# Altium PCB INF_PRO.PcbDoc (part 1 of 2)
Units mil, origin at the board's own origin, x right, y up, seen from the top; angles counter-clockwise.
Board outline 5716.71 x 3551.48 mil, 2 copper layers (Top Layer, Bottom Layer); 197 components, 160 nets, 707 pads, 111 vias.
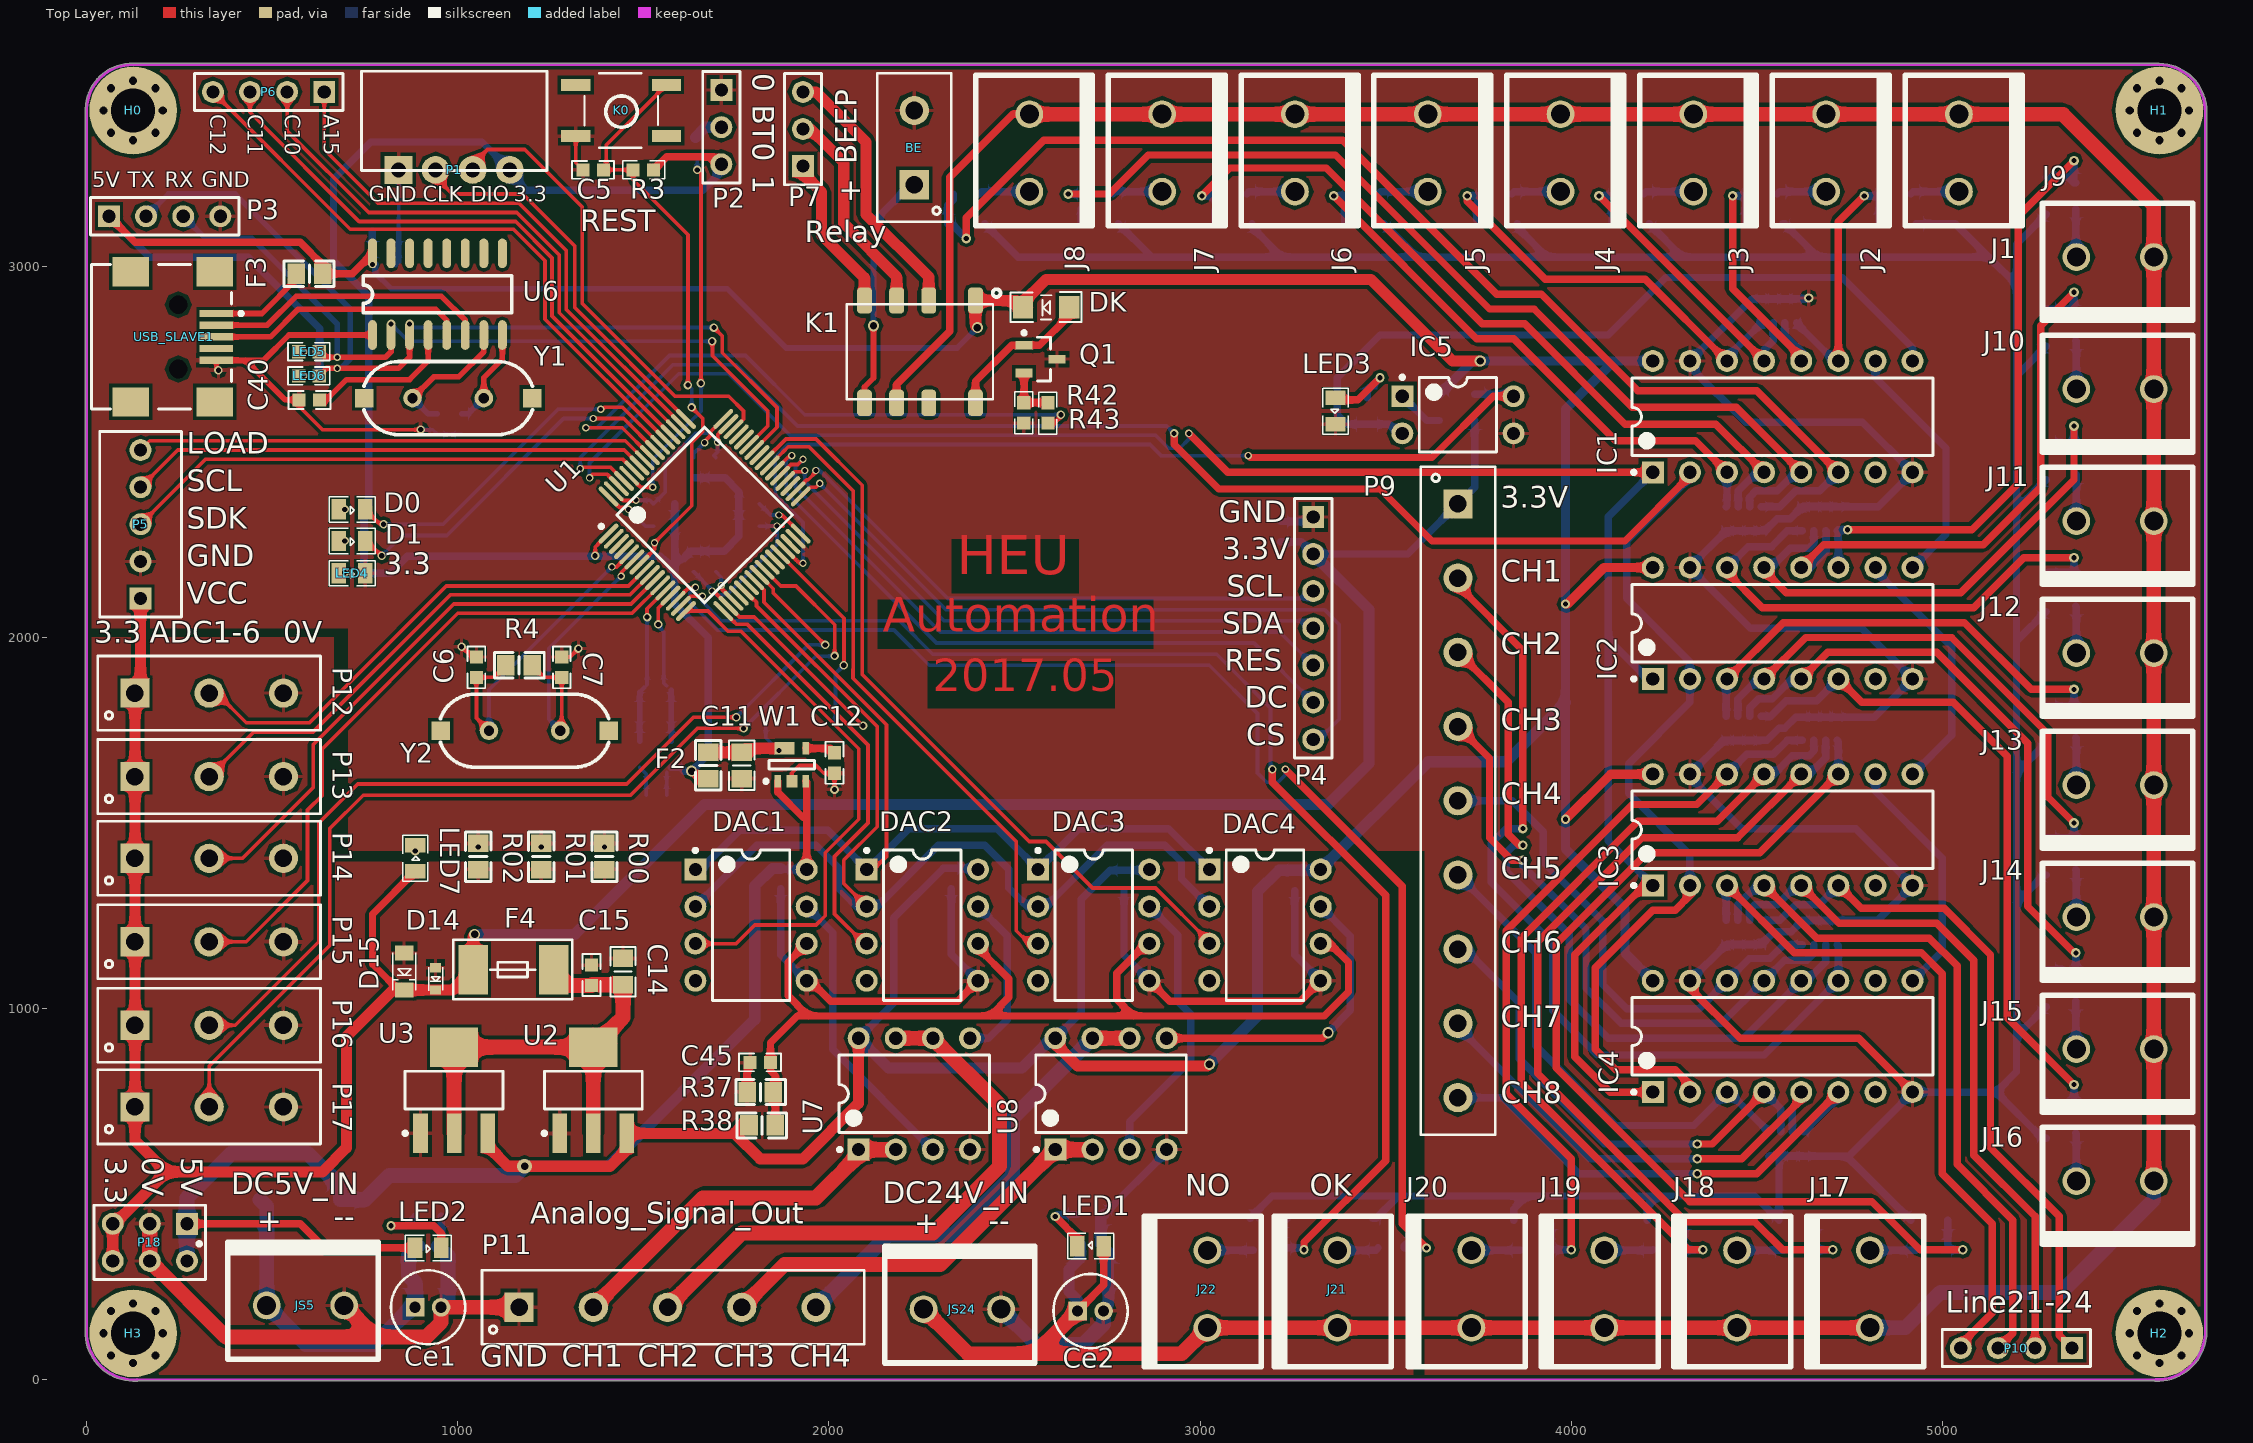
[diagram p0: Top Layer view]
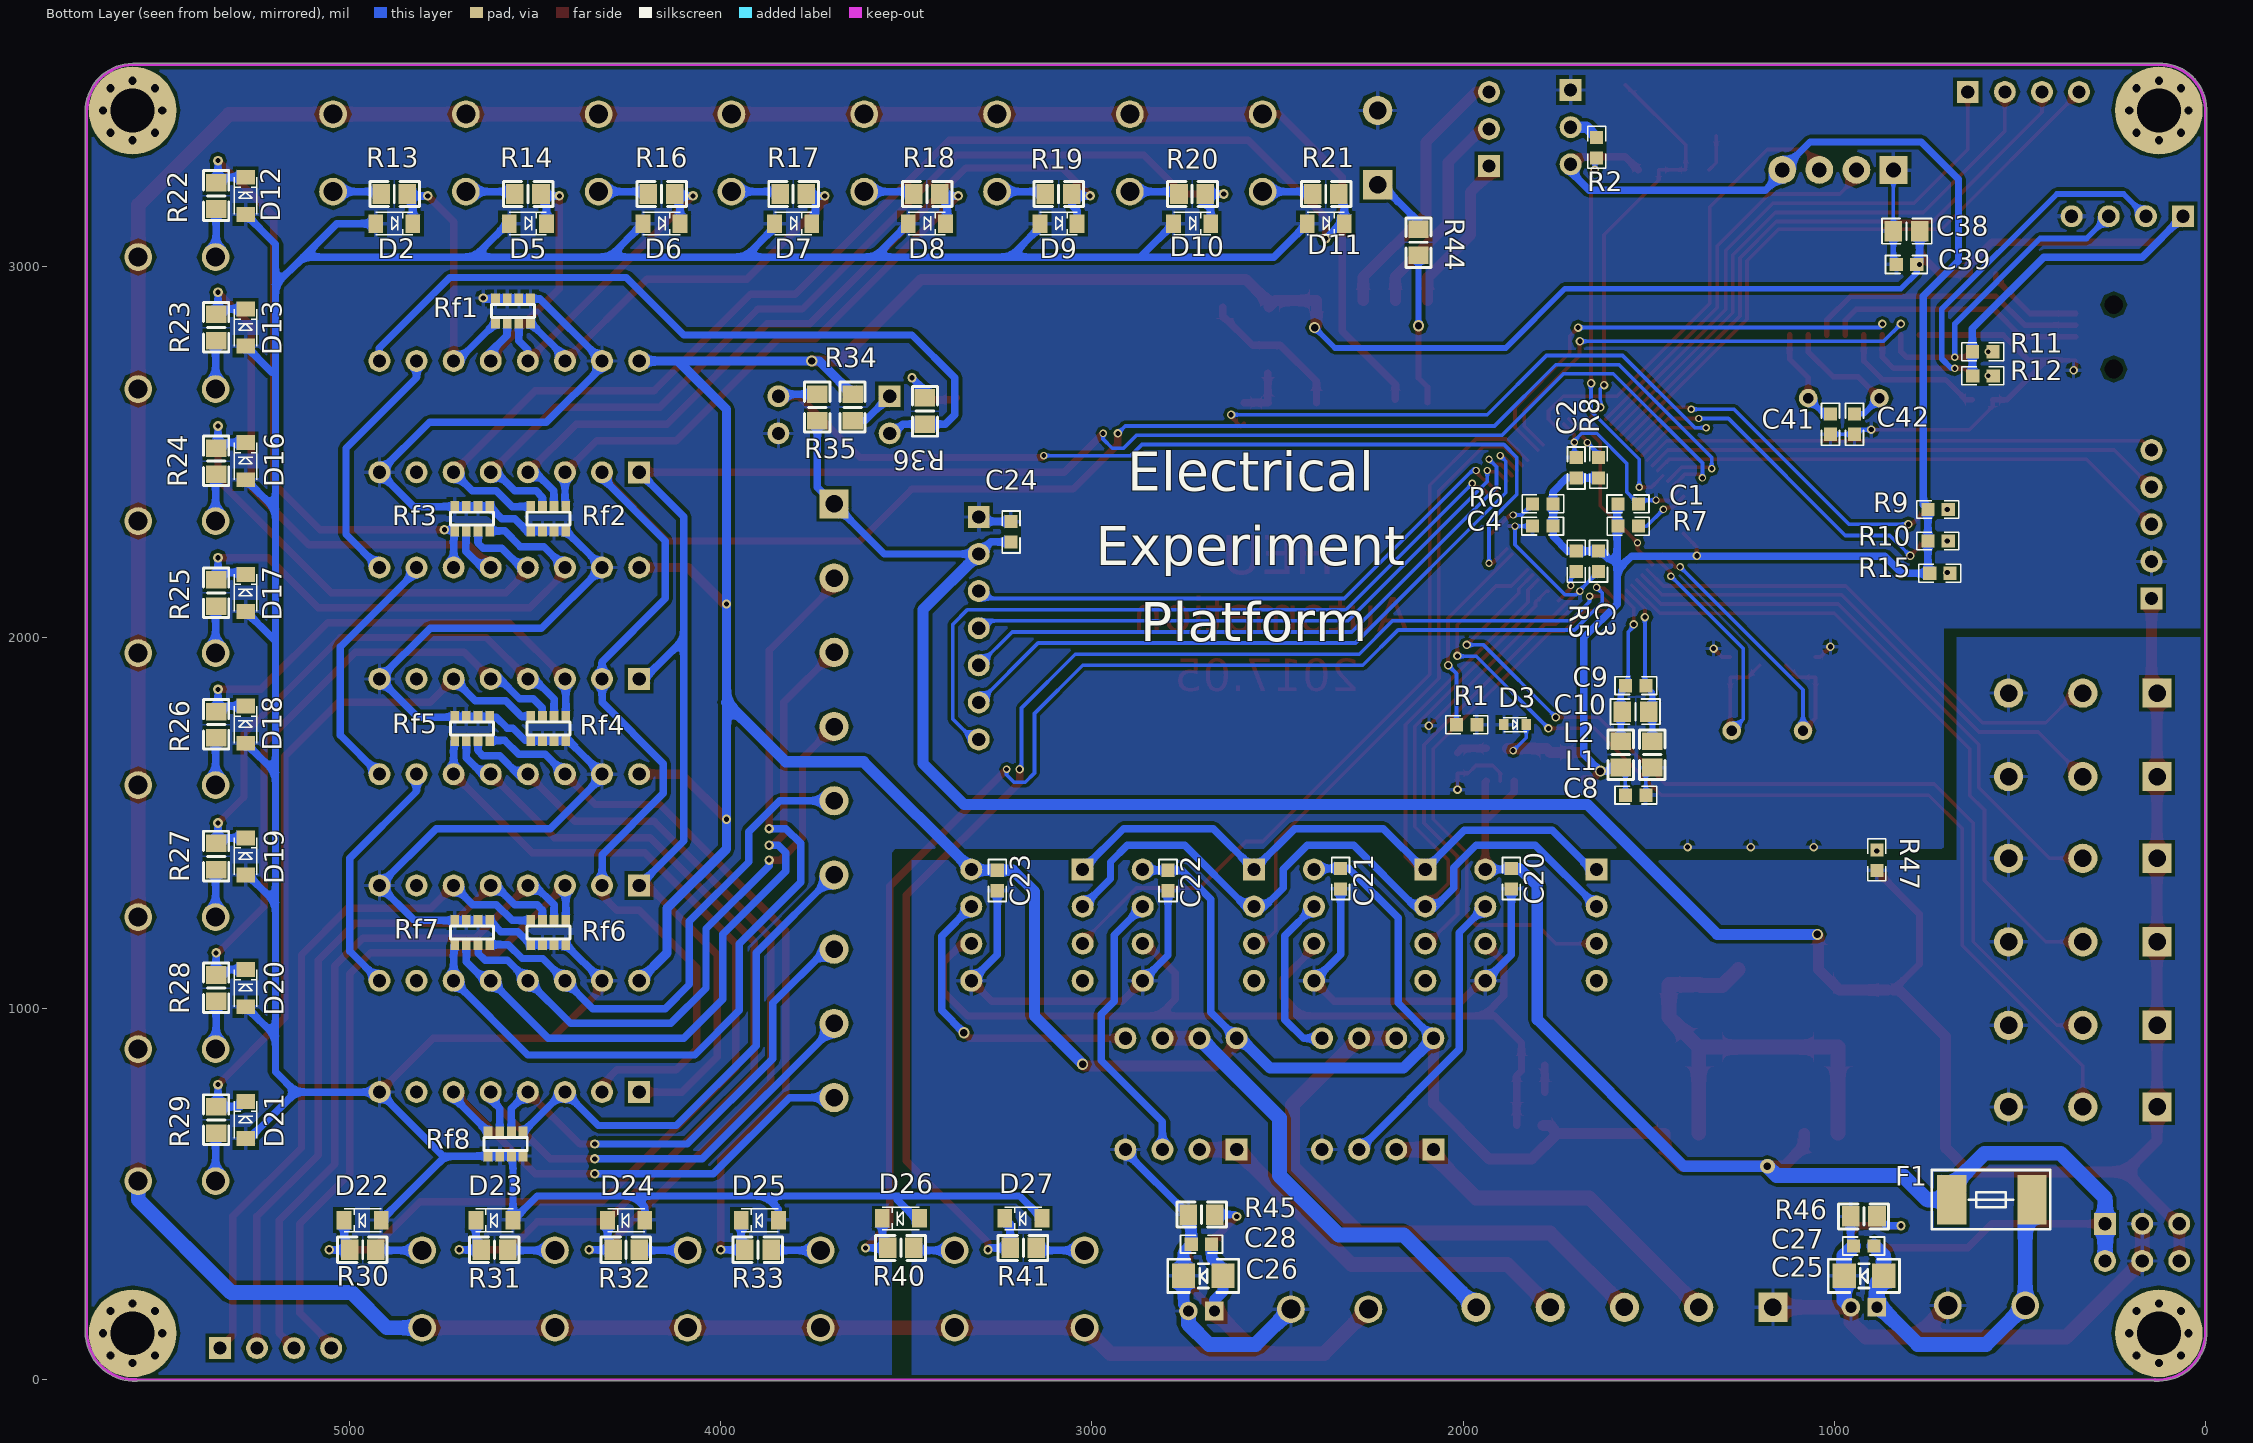
[diagram p1: Bottom Layer view, seen from below]
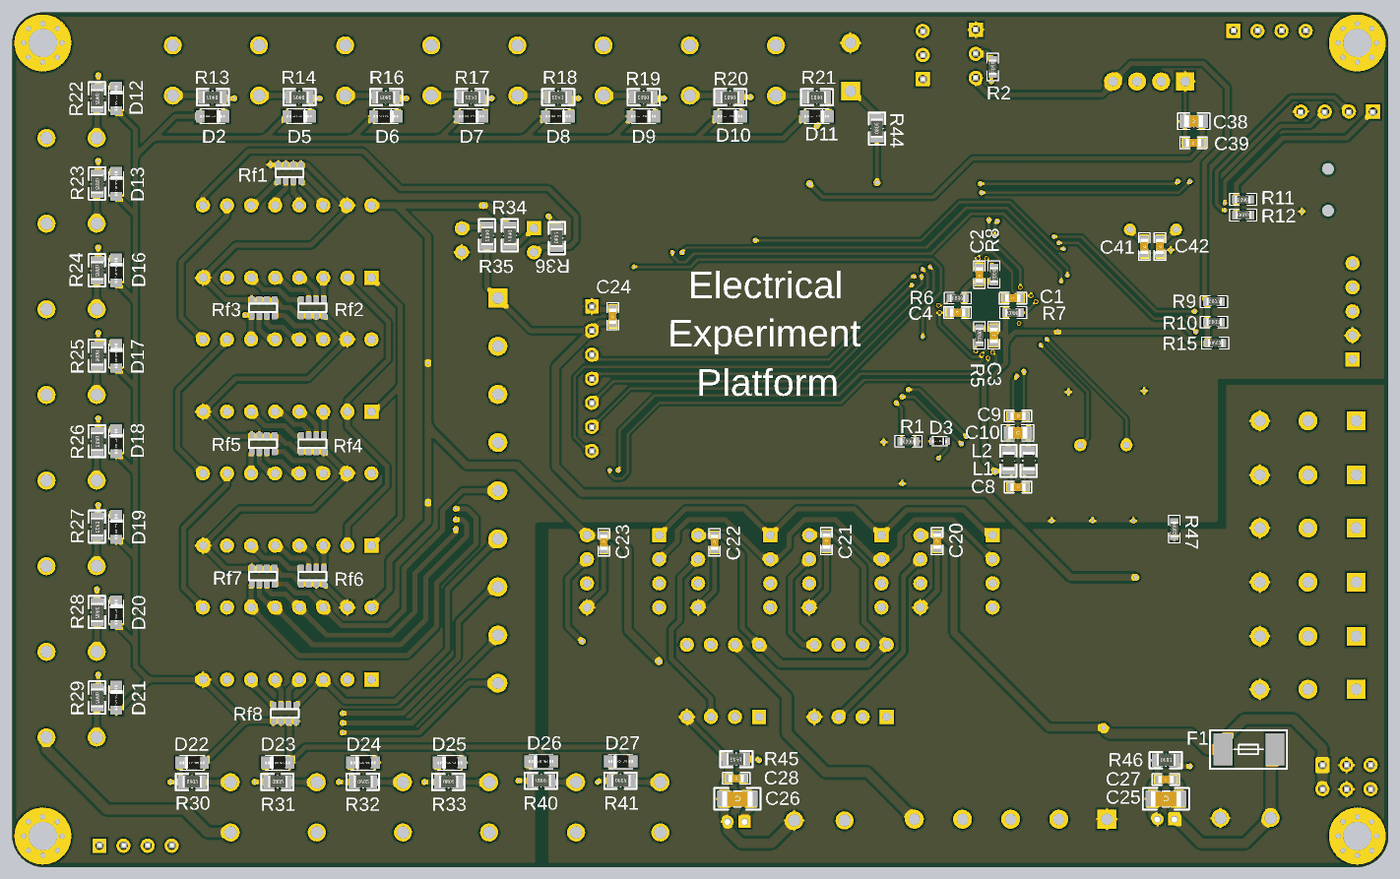
[diagram p3: 3D render of the assembled board from below, using the file's embedded part models]

## Layer stack, top to bottom
Top Solder: solder mask 0.4, Solder Resist, Dk 3.5
Top Layer: signal copper 1.4
Dielectric 1: dielectric 12.6, FR-4, Dk 4.8
Bottom Layer: signal copper 1.4
Bottom Solder: solder mask 0.4, Solder Resist, Dk 3.5

## Board outline
-4.01,119.76 ccw(c127.5,127.5) 135.24,-4.01 ccw(c135,0) 136.94,-3.51 5573.06,-3.51 ccw(c5575,0) 5574.87,-4.01 ccw(c5579.33,129.33) 5711.8,113.41 ccw(c5708.66,115) 5712.18,115 5712.18,116.98 ccw(c5579.33,129.33) 5712.67,124.87 ccw(c5708.66,125) 5712.68,125 ccw(c5708.66,125) 5712.18,126.94 5712.18,3413.06 ccw(c5708.66,3415) 5712.68,3414.93 ccw(c5582.68,3417.32) 5712.7,3417.32 ccw(c5582.68,3417.32) 5585.07,3547.32 ccw(c5585,3543.31) 5583.06,3546.82 126.94,3546.82 ccw(c125,3543.31) 125.11,3547.32 ccw(c121.65,3421.65) -4.01,3425.11 ccw(c0,3425) -3.51,3423.06 -3.51,121.94 ccw(c0,120)

## Design rules (kind name [scope] priority, off if disabled: settings)
Clearance Clearance_RES [HasFootprint('RES_FOUR_0603')] p1: gap=5
Clearance Clearance_MPU [HasFootprint('LQFP64_N')] p2: gap=7
Clearance [All] p3: gap=9
HoleSize [All] p1: absolutevalues=TRUE maxlimit=200 minlimit=1 maxpercent=80.000 minpercent=20.000
HoleToHoleClearance [All] p1: gap=8 allowstackedmicrovias=TRUE
MinimumSolderMaskSliver [All] p1: minsoldermaskwidth=1
NetAntennae [All] p1: netantennaetolerance=2
PolygonConnect [All] p1: connectstyle=Relief reliefconductorwidth=10 reliefentries=4 polygonreliefangle="90 Angle" airgapwidth=10
RoutingCorners [All] p1: cornerstyle=45-Degree minsetback=30 maxsetback=100
RoutingVias [All] p1: holewidth=14 width=21 viastyle="Through Hole" minholewidth=12 minwidth=19 maxholewidth=20 maxwidth=50
SilkToSilkClearance [All] p1: silktosilkclearance=1
SilkToSolderMaskClearance [IsPad] p1: minsilkscreentomaskgap=1 clearancetoexposedcopper=TRUE
SolderMaskExpansion [All] p1: expansion=4
Width [All] p1: maxlimit=80 minlimit=7 preferedwidth=10
23 further rules are at their usual default settings.

## Classes and differential pairs
component class INF_Processing: BE C1 C2 C3 C4 C5 C6 C7 C8 C9 C10 C11 C12 C14 C15 C24 C25 C26 C27 C28 C38 C39 C40 C41 C42 Ce1 Ce2 D0 D1 D3 D14 D15 D26 D27 DK F1 F2 F3 F4 H0 H1 H2 H3 J21 J22 JS5 JS24 K0 K1 L1 L2 LED1 LED2 LED4 LED5 LED6 LED7 P1 P2 P3 P4 P5 P6 P7 Q1 R00 R01 R1 R2 R02 R3 R4 R5 R6 R7 R8 R9 R10 R11 R12 R15 R40 R41 R42 R43 R44 R45 R46 R47 U1 U2 U3 U6 USB_SLAVE1 W1 Y1 Y2
component class INF_Pro_Interface: C20 C21 C22 C23 C45 D2 D5 D6 D7 D8 D9 D10 D11 D12 D13 D16 D17 D18 D19 D20 D21 D22 D23 D24 D25 DAC1 DAC2 DAC3 DAC4 IC1 IC2 IC3 IC4 IC5 J1 J2 J3 J4 J5 J6 J7 J8 J9 J10 J11 J12 J13 J14 J15 J16 J17 J18 J19 J20 LED3 P9 P10 P11 P12 P13 P14 P15 P16 P17 P18 R13 R14 R16 R17 R18 R19 R20 R21 R22 R23 R24 R25 R26 R27 R28 R29 R30 R31 R32 R33 R34 R35 R36 R37 R38 Rf1 Rf2 Rf3 Rf4 Rf5 Rf6 Rf7 Rf8 U7 U8

## Components (designator, comment, footprint, x,y, rotation, side; value= is the part's Value field where it differs from the comment)
BE "BEEP" Header2_hc5.08 2230,3320 r90 top
C1 "0603" CAP_0603_16*08 1555,2360 r180 bottom
C2 "0603" CAP_0603_16*08 1695,2457.44 r90 bottom
C3 "0603" CAP_0603_16*08 1635,2205 r270 bottom
C4 "0603" CAP_0603_16*08 1785,2300 r180 bottom
C5 "0603" CAP_0603_16*08 1365,3260 r0 top
C6 "0603" CAP_0603_16*08 1050,1920 r90 top
C7 "0603" CAP_0603_16*08 1280,1920 r90 top
C8 "0603" CAP_0603_16*08 1535,1575 r0 bottom
C9 "0603" CAP_0603_16*08 1535,1870 r0 bottom
C10 "Polar" CAP_0805_20*12 1535,1800 r180 bottom
C11 "Polar" CAP_0805_20*12 1765,1655 r270 top
C12 "0603" CAP_0603_16*08 2015,1661.81 r270 top
C14 "Polar" CAP_0805_20*12 1445,1100 r90 top
C15 "0603" CAP_0603_16*08 1360,1090 r270 top
C20 "0603" CAP_0603_16*08 1870,1350 r270 bottom
C21 "0603" CAP_0603_16*08 2330,1350 r270 bottom
C22 "0603" CAP_0603_16*08 2795,1345 r270 bottom
C23 "0603" CAP_0603_16*08 3255,1345 r270 bottom
C24 "0603" CAP_0603_16*08 3217.75,2285 r90 bottom
C25 "Polar" CAP_1206 920,280 r0 bottom
C26 "Polar" CAP_1206 2700,280 r0 bottom
C27 "0603" CAP_0603_16*08 920,360 r180 bottom
C28 "0603" CAP_0603_16*08 2705,365 r0 bottom
C38 "Polar" CAP_0805_20*12 805,3095 r0 bottom
C39 "0603" CAP_0603_16*08 805,3005 r180 bottom
C40 "0603" CAP_0603_16*08 600,2640 r180 top
C41 "0603" CAP_0603_16*08 1010,2575 r90 bottom
C42 "0603" CAP_0603_16*08 945,2575 r90 bottom
C45 "0603" CAP_0603_16*08 1815,855 r0 top
Ce1 "330uF/16V" Cap_Elec 920,195 r0 top
Ce2 "100uF/35V" Cap_Elec 2705,185 r0 top
D0 "Red" LED_0805 715,2345 r0 top
D1 "Blue" LED_0805 715,2260 r0 top
D2 "Zener/3.3" SOD323 4880,3115 r180 bottom
D3 "TVS/3.3V" SOD523 1910,1765 r180 bottom
D5 "Zener/3.3" SOD323 4520,3115 r180 bottom
D6 "Zener/3.3" SOD323 4160,3115 r180 bottom
D7 "Zener/3.3" SOD323 3805,3115 r180 bottom
D8 "Zener/3.3" SOD323 3445,3115 r180 bottom
D9 "Zener/3.3" SOD323 3090,3115 r180 bottom
D10 "Zener/3.3" SOD323 2730,3115 r180 bottom
D11 "Zener/3.3" SOD323 2370,3115 r180 bottom
D12 "Zener/3.3" SOD323 5280,3190 r90 bottom
D13 "Zener/3.3" SOD323 5280,2835 r90 bottom
D14 "TVS/3.3V" SOD523 940,1130 r270 top
D15 "Zener/3.3V" SOD323 855,1100 r270 top
D16 "Zener/3.3" SOD323 5280,2475 r90 bottom
D17 "Zener/3.3" SOD323 5280,2120 r90 bottom
D18 "Zener/3.3" SOD323 5280,1765 r90 bottom
D19 "Zener/3.3" SOD323 5280,1410 r90 bottom
D20 "Zener/3.3" SOD323 5280,1055 r90 bottom
D21 "Zener/3.3" SOD323 5280,700 r90 bottom
D22 "Zener/3.3" SOD323 4965,430 r0 bottom
D23 "Zener/3.3" SOD323 4610,430 r0 bottom
D24 "Zener/3.3" SOD323 4255,430 r0 bottom
D25 "Zener/3.3" SOD323 3895,430 r0 bottom
D26 "Zener/3.3" SOD323 3515,435 r0 bottom
D27 "Zener/3.3" SOD323 3185,435 r0 bottom
DAC1 "TLC5615" DIP-8 1790,1225 r0 top
DAC2 "TLC5615" DIP-8 2251.67,1225 r0 top
DAC3 "TLC5615" DIP-8 2713.33,1225 r0 top
DAC4 "TLC5615" DIP-8 3175,1225 r0 top
DK "Diode" Diode1206 2585,2890 r180 top
F1 "Fuse 1" FUSE3.5*5.5 575,485 r0 bottom
F2 "Fuse 1" RES_0805_20*12 1675,1655 r270 top
F3 "5V/0.5A" RES_0805_20*12 600,2980 r0 top
F4 "Fuse 1" FUSE3.5*5.5 1150,1105 r180 top
H0 "Pad3mm" PAD 125,3420 r0 top
H1 "Pad3mm" PAD 5585,3420 r0 top
H2 "Pad3mm" PAD 5585,125 r0 top
H3 "Pad3mm" PAD 125,125 r0 top
IC1 "74HC165" DIP-16 4570,2595 r90 top
IC2 "74HC165" DIP-16 4570,2038.33 r90 top
IC3 "74HC165" DIP-16 4570,1481.67 r90 top
IC4 "74HC165" DIP-16 4570,925 r90 top
IC5 "PS2801-1" DIP-4 3695,2600 r0 top
J1 "POWER" Header2_press 5045,3410 r90 top
J2 "POWER" Header2_press 4687.14,3410 r90 top
J3 "POWER" Header2_press 4329.29,3410 r90 top
J4 "POWER" Header2_press 3971.43,3410 r90 top
J5 "POWER" Header2_press 3613.57,3410 r90 top
J6 "POWER" Header2_press 3255.71,3410 r90 top
J7 "POWER" Header2_press 2897.86,3410 r90 top
J8 "POWER" Header2_press 2540,3410 r90 top
J9 "POWER" Header2_press 5570,3025 r0 top
J10 "POWER" Header2_press 5570,2669.29 r0 top
J11 "POWER" Header2_press 5570,2313.57 r0 top
J12 "POWER" Header2_press 5570,1957.86 r0 top
J13 "POWER" Header2_press 5570,1602.14 r0 top
J14 "POWER" Header2_press 5570,1246.43 r0 top
J15 "POWER" Header2_press 5570,890.71 r0 top
J16 "POWER" Header2_press 5570,535 r0 top
J17 "POWER" Header2_press 4804.96,140 r270 top
J18 "POWER" Header2_press 4447.1,140 r270 top
J19 "POWER" Header2_press 4089.25,140 r270 top
J20 "POWER" Header2_press 3731.39,140 r270 top
J21 "POWER" Header2_press 3370,140 r270 top
J22 "POWER" Header2_press 3020,140 r270 top
JS5 "POWER" Header2_press 485,200 r180 top
JS24 "POWER" Header2_press 2255,190 r180 top
K0 "KEY" KEY_4 1440,3420 r0 top
K1 "G6K-2F-Y" OMRON_delay 2245,2770 r180 top
L1 "MODEL?" IND_0805_20*12 1575,1685 r90 bottom
L2 "MODEL?" IND_0805_20*12 1490,1685 r90 bottom
LED1 "Green" LED_0805 2705,360 r180 top
LED2 "Red" LED_0805 920,355 r0 top
LED3 "Yellow" LED_0805 3365,2610 r270 top
LED4 "Blue" LED_0805 715,2173 r0 top
LED5 "Red" CAP_0603_16*08 599,2770 r0 top
LED6 "Green" CAP_0603_16*08 599,2705 r0 top
LED7 "Blue" LED_0805 885,1405 r90 top
P1 "Header 4" P4_OUT 990,3260 r0 top
P2 "Header 3" HEADER1*3_PIN 1710,3375 r270 top
P3 "Header 4" HEADER1*4_PIN 210,3135 r0 top
P4 "OLED" HEADER1*7_PIN 3305,2025 r270 top
P5 "Header 5" Header5_KF2510 145,2305 r90 top
P6 "Header 4" HEADER1*4_PIN 490,3470 r180 top
P7 "Header 3" HEADER1*3_PIN 1930,3370 r90 top
P9 "Header 9" Header9_HC5.08 3695,2360 r270 top
P10 "Header 4" HEADER1*4_PIN 5200,85 r180 top
P11 "Header 5" HEADER4_HC5.08 1165,195 r0 top
P12 "Header 3" Header3_HC5.08 130,1850 r0 top
P13 "Header 3" Header3_HC5.08 130,1625 r0 top
P14 "Header 3" Header3_HC5.08 130,1405 r0 top
P15 "Header 3" Header3_HC5.08 130,1180 r0 top
P16 "Header 3" Header3_HC5.08 130,955 r0 top
P17 "Header 3" Header3_HC5.08 130,735 r0 top
P18 "Header 3X2" HEADER2*3_PIN 170,370 r180 top
Q1 "NPN" SOT-23_N 2570,2750 r0 top
R00 "SMD" RES_0805_20*12 1395,1410 r90 top
R1 "SMD" RES_0603_16*08 1990,1765 r0 bottom
R01 "SMD" RES_0805_20*12 1225,1410 r90 top
R2 "SMD" RES_0603_16*08 1640,3320 r270 bottom
R02 "SMD" RES_0805_20*12 1055,1410 r90 top
R3 "SMD" RES_0603_16*08 1500,3260 r180 top
R4 "SMD" RES_0805_20*12 1165,1925 r180 top
R5 "SMD" RES_0603_16*08 1695,2205 r270 bottom
R6 "SMD" RES_0603_16*08 1785,2360 r0 bottom
R7 "SMD" RES_0603_16*08 1555,2300 r0 bottom
R8 "SMD" RES_0603_16*08 1635,2457.44 r270 bottom
R9 "SMD" RES_0603_16*08 720,2345 r180 bottom
R10 "SMD" RES_0603_16*08 720,2260 r180 bottom
R11 "SMD" RES_0603_16*08 600,2770 r0 bottom
R12 "SMD" RES_0603_16*08 599,2705 r180 bottom
R13 "SMD" RES_0805_20*12 4880,3195 r0 bottom
R14 "SMD" RES_0805_20*12 4520,3195 r0 bottom
R15 "SMD" RES_0603_16*08 715,2173 r180 bottom
R16 "SMD" RES_0805_20*12 4160,3195 r0 bottom
R17 "SMD" RES_0805_20*12 3805,3195 r0 bottom
R18 "SMD" RES_0805_20*12 3445,3195 r0 bottom
R19 "SMD" RES_0805_20*12 3090,3195 r0 bottom
R20 "SMD" RES_0805_20*12 2730,3195 r0 bottom
R21 "SMD" RES_0805_20*12 2370,3195 r0 bottom
R22 "SMD" RES_0805_20*12 5360,3190 r270 bottom
R23 "SMD" RES_0805_20*12 5360,2835 r270 bottom
R24 "SMD" RES_0805_20*12 5360,2475 r270 bottom
R25 "SMD" RES_0805_20*12 5360,2120 r270 bottom
R26 "SMD" RES_0805_20*12 5360,1765 r270 bottom
R27 "SMD" RES_0805_20*12 5360,1410 r270 bottom
R28 "SMD" RES_0805_20*12 5360,1055 r270 bottom
R29 "SMD" RES_0805_20*12 5360,700 r270 bottom
R30 "SMD" RES_0805_20*12 4965,350 r180 bottom
R31 "SMD" RES_0805_20*12 4610,350 r180 bottom
R32 "SMD" RES_0805_20*12 4255,350 r180 bottom
R33 "SMD" RES_0805_20*12 3900,350 r180 bottom
R34 "SMD" RES_0805_20*12 3645,2620 r270 bottom
R35 "SMD" RES_0805_20*12 3740,2620 r270 bottom
R36 "SMD" RES_0805_20*12 3450,2610 r90 bottom
R37 "SMD" RES_0805_20*12 1815,775 r180 top
R38 "SMD" RES_0805_20*12 1820,685 r0 top
R40 "SMD" RES_0805_20*12 3515,355 r180 bottom
R41 "SMD" RES_0805_20*12 3185,355 r180 bottom
R42 "SMD" RES_0603_16*08 2590,2605 r90 top
R43 "SMD" RES_0603_16*08 2525,2605 r270 top
R44 "SMD" RES_0805_20*12 2120,3065 r90 bottom
R45 "SMD" RES_0805_20*12 2705,445 r0 bottom
R46 "SMD" RES_0805_20*12 920,440 r180 bottom
R47 "SMD" RES_0603_16*08 885,1400 r270 bottom
Rf1 "3.3K" RES_FOUR_0603 4560,2880 r90 bottom
Rf2 "3.3K" RES_FOUR_0603 4465,2320 r270 bottom
Rf3 "3.3K" RES_FOUR_0603 4670,2320 r90 bottom
Rf4 "3.3K" RES_FOUR_0603 4465,1755 r270 bottom
Rf5 "3.3K" RES_FOUR_0603 4670,1755 r90 bottom
Rf6 "3.3K" RES_FOUR_0603 4465,1205 r270 bottom
Rf7 "3.3K" RES_FOUR_0603 4670,1205 r90 bottom
Rf8 "3.3K" RES_FOUR_0603 4580,635 r270 bottom
U1 "STM32F103RCT6" LQFP64_N 1665,2330 r45 top
U2 "AMS1117" SOT223_M 1365,780 r90 top
U3 "AMS1117" SOT223_M 990,780 r90 top
U6 "CH340G" SOP16 770,2815 r90 top
U7 "AD8667ARZ" DIP-8 2230,770 r90 top
U8 "AD8667ARZ" DIP-8 2760,770 r90 top
USB_SLAVE1 "USB-B(Mini)" USB/SM0.8-6H5 40,2810 r180 top
W1 "MIC5219" SOT95P250-5N 1900,1656.81 r90 top
Y1 "XTAL" XTAL_US 1070,2645 r180 top
Y2 "XTAL" XTAL_US 1276.07,1748.79 r180 top

## Footprints (in the part's own frame and the unit in brackets; to place one, negate y for a bottom-side part, rotate by r counter-clockwise, add the part's x,y. Pads: shape width x height; smd on the part's side, far side on the other; paste and mask are expansions set on the pad)
CAP_0603_16*08 [mm]
  rect 0.9x0.9 smd: 1(-0.7,0) 2(0.7,0)
  silkscreen extent -1.45,-0.61 1.42,0.61, body extent -1.31,-0.49 1.29,0.51, height 0.89
CAP_0805_20*12 [mm] "Chip Resistor, Body 2.0x1.2mm, IPC Medium Density"
  rect 1.2x1.4 smd: 1(-0.9,0) 2(0.9,0)
  silkscreen extent -1.72,-0.87 1.67,0.86, body extent -1.5,-0.69 1.5,0.71, height 0.93
CAP_1206 [mm] "Chip Capacitor, Body 3.2x1.6mm, IPC High Density"
  rect 1.6x1.7 smd: 1(-1.35,0) 2(1.35,0)
  silkscreen extent -2.44,-1.14 2.44,1.14, body extent -2.1,-0.87 2.1,0.93, height 0.95
Cap_Elec [mil]
  rect 50x50 hole 30: 1(-35,0)
  round 50 hole 30: 2(35,0)
  silkscreen extent -100,-100 100,100, body extent -100,-103 102,100, height 429
Diode1206 [mil] "1N4148"
  rect 55x60 smd: 1(-62,0) 2(62,0)
  silkscreen extent -96,-41 96,40, body extent -70,-29 68,29, height 56
DIP-4 [mm] "DIP; 4 Leads; Row Spacing 7.62 mm; Pitch 2.54 mm"
  rect 1.5x1.5 hole 0.9: 1(-3.81,1.27)
  round 1.5 hole 0.9: 2(-3.81,-1.27) 3(3.81,-1.27) 4(3.81,1.27)
  silkscreen extent -3.93,-2.55 2.65,2.69, body extent -3.15,-2.5 3.15,2.5, height 5.6
DIP-8 [mm] "DIP; 8 Leads; Row Spacing 7.62 mm; Pitch 2.54 mm"
  rect 1.5x1.5 hole 0.9: 1(-3.81,3.81)
  round 1.5 hole 0.9: 2(-3.81,1.27) 3(-3.81,-1.27) 4(-3.81,-3.81) 5(3.81,-3.81) 6(3.81,-1.27) 7(3.81,1.27) 8(3.81,3.81)
  silkscreen extent -3.93,-5.15 2.65,5.23, body extent -3.6,-5.15 3.6,5.15, height 5.08
DIP-16 [mm] "DIP; 16 Leads; Row Spacing 7.62 mm; Pitch 2.54 mm"
  rect 1.5x1.5 hole 0.9: 1(-3.81,8.89)
  round 1.5 hole 0.9: 2(-3.81,6.35) 3(-3.81,3.81) 4(-3.81,1.27) 5(-3.81,-1.27) 6(-3.81,-3.81) 7(-3.81,-6.35) 8(-3.81,-8.89) 9(3.81,-8.89) 10(3.81,-6.35) 11(3.81,-3.81) 12(3.81,-1.27) 13(3.81,1.27) 14(3.81,3.81) 15(3.81,6.35) 16(3.81,8.89)
  silkscreen extent -3.93,-10.3 2.65,10.31, body extent -3.6,-10.28 3.6,10.28, height 5.08
FUSE3.5*5.5 [mm] "5.6V/2.6A"
  rect 2x3.4 smd: 1(-2.75,0) 2(2.75,0)
  silkscreen extent -4.01,-2.03 4.12,2.03
HEADER1*3_PIN [mm]
  rect 1.5x1.5 hole 0.9: 1(-2.54,0)
  round 1.5 hole 0.9: 2(0,0) 3(2.54,0)
  silkscreen extent -3.81,-1.27 3.81,1.27, body extent -3.84,-1.22 3.78,1.28, height 8.54
HEADER1*4_PIN [mm]
  rect 1.5x1.5 hole 0.9: 1(-3.81,0)
  round 1.5 hole 0.9: 2(-1.27,0) 3(1.27,0) 4(3.81,0)
  silkscreen extent -5.08,-1.27 5.08,1.27, body extent -5.05,-1.31 5.11,1.19, height 8.67
HEADER1*7_PIN [mm] "Connector; Header; 7 Position"
  rect 1.5x1.5 hole 0.9: 1(-7.62,0)
  round 1.5 hole 0.9: 2(-5.08,0) 3(-2.54,0) 4(0,0) 5(2.54,0) 6(5.08,0) 7(7.62,0)
  silkscreen extent -8.89,-1.27 8.89,1.27, body extent -8.86,-1.28 8.92,1.22, height 3.03
HEADER2*3_PIN [mm] "Connector; Header; 3x2 Position"
  rect 1.5x1.5 hole 0.9: 1(-2.54,-1.27)
  round 1.5 hole 0.9: 2(0,-1.27) 3(2.54,-1.27) 4(-2.54,1.27) 5(0,1.27) 6(2.54,1.27)
  silkscreen extent -3.81,-2.54 3.81,2.54, body extent -3.78,-2.51 3.84,2.53, height 2.49
Header2_hc5.08 [mm]
  rect 2x2 hole 1.2: 1(-2.54,0)
  round 2 hole 1.2: 2(2.54,0)
  silkscreen extent -5.08,-2.54 5.08,2.54
Header2_press [mm]
  round 1.9 hole 1.3: 1(0,0) 2(-5.3,0)
  silkscreen extent -7.62,-4.32 2.67,3.68
Header3_HC5.08 [mm]
  rect 2x2 hole 1.2: 1(0,0)
  round 2 hole 1.2: 2(5.08,0) 3(10.16,0)
  silkscreen extent -2.54,-2.54 12.7,2.54
HEADER4_HC5.08 [mm]
  rect 2x2 hole 1.2: 1(0,0)
  round 2 hole 1.2: 2(5.08,0) 3(10.16,0) 4(15.24,0) 5(20.32,0)
  silkscreen extent -2.54,-2.54 23.62,2.54
Header5_KF2510 [mm]
  rect 1.5x1.5 hole 0.9: 1(-5.08,0)
  round 1.5 hole 0.9: 2(-2.54,0) 3(0,0) 4(2.54,0) 5(5.08,0)
  silkscreen extent -6.35,-2.79 6.35,2.79
Header9_HC5.08 [mm]
  rect 2x2 hole 1.2: 1(0,0)
  round 2 hole 1.2: 2(5.08,0) 3(10.16,0) 4(15.24,0) 5(20.32,0) 6(25.4,0) 7(30.48,0) 8(35.56,0) 9(40.64,0)
  silkscreen extent -2.54,-2.54 43.18,2.54
IND_0805_20*12 [mm] "Chip Inductor, Body 2.0x1.2mm, IPC Medium Density"
  rect 1.2x1.4 smd: 1(-0.9,0) 2(0.9,0)
  silkscreen extent -1.72,-0.87 1.67,0.86, body extent -1.05,-0.65 0.95,0.6, height 0.5
KEY_4 [mm]
  rect 2x0.8 smd: 1(-3.1,-1.75) 2(3.1,1.75) 3(3.1,-1.75) 4(-3.1,1.75)
  silkscreen extent -2.5,-2.55 2.53,2.55
LED_0805 [mm]
  rect 1x1.4 smd: 1(-0.9,0) 2(0.9,0)
  silkscreen extent -1.57,-0.87 1.57,0.86, body extent -0.94,-0.66 1.09,0.61, height 1.1
LQFP64_N [mm]
  oval 1.8x0.3 smd: 1(-5.55,3.75) 2(-5.55,3.25) 3(-5.55,2.75) 4(-5.55,2.25) 5(-5.55,1.75) 6(-5.55,1.25) 7(-5.55,0.75) 8(-5.55,0.25) 9(-5.55,-0.25) 10(-5.55,-0.75) 11(-5.55,-1.25) 12(-5.55,-1.75) 13(-5.55,-2.25) 14(-5.55,-2.75) 15(-5.55,-3.25) 16(-5.55,-3.75) 33(5.55,-3.75) 34(5.55,-3.25) 35(5.55,-2.75) 36(5.55,-2.25) 37(5.55,-1.75) 38(5.55,-1.25) 39(5.55,-0.75) 40(5.55,-0.25) 41(5.55,0.25) 42(5.55,0.75) 43(5.55,1.25) 44(5.55,1.75) 45(5.55,2.25) 46(5.55,2.75) 47(5.55,3.25) 48(5.55,3.75)
  oval 0.3x1.8 smd: 17(-3.75,-5.55) 18(-3.25,-5.55) 19(-2.75,-5.55) 20(-2.25,-5.55) 21(-1.75,-5.55) 22(-1.25,-5.55) 23(-0.75,-5.55) 24(-0.25,-5.55) 25(0.25,-5.55) 26(0.75,-5.55) 27(1.25,-5.55) 28(1.75,-5.55) 29(2.25,-5.55) 30(2.75,-5.55) 31(3.25,-5.55) 32(3.75,-5.55) 49(3.75,5.55) 50(3.25,5.55) 51(2.75,5.55) 52(2.25,5.55) 53(1.75,5.55) 54(1.25,5.55) 55(0.75,5.55) 56(0.25,5.55) 57(-0.25,5.55) 58(-0.75,5.55) 59(-1.25,5.55) 60(-1.75,5.55) 61(-2.25,5.55) 62(-2.75,5.55) 63(-3.25,5.55) 64(-3.75,5.55)
  silkscreen extent -5.67,-4.25 4.25,4.57, body extent -6.03,-5.97 5.97,6.03, height 1.6
OMRON_delay [mm]
  rrect50% 1.016x1.8 smd: 1(-3.81,-3.5) 2(-0.61,-3.5) 3(1.59,-3.5) 4(3.79,-3.5) 5(3.79,3.5) 6(1.59,3.5) 7(-0.61,3.5) 8(-3.81,3.5)
  silkscreen extent -5.52,-4.28 5,3.25, body extent -5,-3.25 5,3.25, height 5.2
P4_OUT [mil]
  rect 75x75 hole 40: 1(-150,0)
  round 75 hole 40: 2(-50,0) 3(50,0) 4(150,0)
  silkscreen extent -250,-2 250,266
PAD [mm]
  round 6 hole 3: 0(0,0)
  round 1 hole 0.562: 1(0,2.032) 2(1.524,1.524) 3(2.032,0) 4(1.524,-1.524) 5(0,-2.032) 6(-1.524,-1.524) 7(-2.032,0) 8(-1.524,1.524)
  body extent -3.6,-3.12 3.6,3.12, height 3.33
RES_0603_16*08 [mm]
  rect 0.9x0.9 smd: 1(-0.7,0) 2(0.7,0)
  silkscreen extent -1.45,-0.61 1.42,0.61, body extent -0.77,-0.37 0.83,0.43, height 0.5
RES_0805_20*12 [mm] "Chip Resistor, Body 2.0x1.2mm, IPC Medium Density"
  rect 1.2x1.4 smd: 1(-0.9,0) 2(0.9,0)
  silkscreen extent -1.72,-0.87 1.67,0.86, body extent -0.97,-0.6 1.03,0.66, height 0.68
RES_FOUR_0603 [mil]
  rect 30x23.62 smd: 1(-32.5,47.24) 2(-32.5,15.75) 3(-32.5,-15.75) 4(-32.5,-47.24) 5(32.5,-47.24) 6(32.5,-15.75) 7(32.5,15.75) 8(32.5,47.24)
  silkscreen extent -18,-58 18,58
SOD323 [mil] "Zener Doide"
  rect 40x50 smd: 1(-50,0) 2(50,0)
  silkscreen extent -50,-30 50,31, body extent -51,-26 51,26, height 39
SOD523 [mil]
  rect 25x30 smd: 1(20,0) 2(80,0)
  silkscreen extent 18,-19 82,19, body extent 18,-16 81,16, height 26
SOP16 [mil]
  oval 80x24 smd: 1(0,0) 2(0,-50) 3(0,-100) 4(0,-150) 5(0,-200) 6(0,-250) 7(0,-300) 8(0,-350) 9(220,-350) 10(220,-300) 11(220,-250) 12(220,-200) 13(220,-150) 14(220,-100) 15(220,-50) 16(220,0)
  silkscreen extent 60,-375 160,25, body extent -27,-378 249,28, height 83
SOT95P250-5N [mm]
  rect 0.85x0.45 smd: 1(-1.125,0.95) 3(-1.125,-0.95) 4(1.125,-0.95)
  rect 0.85x0.75 smd: 2(-1.125,0)
  rect 0.85x1.35 smd: 5(1.125,0.5)
  silkscreen extent -1.25,-1.55 0.3,1.9
SOT223_M [mm] "SOT223, 4-Leads, Body 6.5x3.5mm, Pitch 2.3mm, Lead Span 7mm, IPC Low Density"
  rect 2.7x1 smd: 1(-2.95,2.3) 2(-2.95,0) 3(-2.95,-2.3)
  rect 2.7x3.3 smd: 4(2.95,0)
  silkscreen extent -3.07,-3.35 1.3,3.47, body extent -3.56,-3.25 3.4,3.25, height 1.73
SOT-23_N [mm] "SOT23, 3-Leads, Body 2.9x1.3mm, Pitch 0.95mm, Lead Span 2.5mm, IPC Medium Density"
  rect 1.15x0.6 smd: 1(-1.125,0.95) 2(-1.125,-0.95) 3(1.125,0)
  silkscreen extent -1.25,-1.5 0.7,1.92, body extent -1.45,-1.45 1.35,1.45, height 1.23
USB/SM0.8-6H5 [mm]
  rect 2.3x0.5 smd: 1(-7.85,-1.6) 2(-7.85,-0.8) 3(-7.85,0) 4(-7.85,0.8) 5(-7.85,1.6)
  rect 2.5x2 smd: 6(-7.75,4.45) 7(-1.996,4.45) 8(-7.75,-4.45) 9(-1.996,-4.45)
  round 0.6 hole 1.27 unplated: MH1(-5.25,2.2) MH2(-5.25,-2.2)
  silkscreen extent -9.68,-4.95 0.7,4.95
XTAL_US [mil]
  round 50 hole 28: 1(0,0) 2(192.13,0)
  rect 50x50 smd: ""(-130.32,0) ""(322.44,0)
  silkscreen extent -131,-98 323,98

## Part data
BE J1 J2 J3 J4 J5 J6 J7 J8 J9 J10 J11 J12 J13 J14 J15 J16 J17 J18 J19 J20 J21 J22 JS5 JS24: library part HEAD2
C1 C2 C3 C4 C5 C6 C7 C8 C9 C12 C15 C20 C21 C22 C23 C24 C27 C28 C39 C40 C41 C42 C45: library part Cap, "Capacitor"
C10 C11 C14 C25 C26 C38: library part "Cap Pol", "Polarized Capacitor (Axial)"
Ce1 Ce2: library part "Cap Elec"
D0 D1 LED1 LED2 LED3 LED4 LED5 LED6 LED7: library part LED, "Typical RED, GREEN, YELLOW, AMBER GaAs LED"
D2 D3 D5 D6 D7 D8 D9 D10 D11 D12 D13 D14 D15 D16 D17 D18 D19 D20 D21 D22 D23 D24 D25 D26 D27: library part "D Zener", "Zener Diode"
DAC1 DAC2 DAC3 DAC4: library part TLC5616_DAC
DK: "Default Diode"
F1 F2 F4: "Fuse"
F3: library part "Fuse 1", "Fuse"
K1: "Delay"
L1 L2: library part Inductor, "Inductor"
P1 P3 P6 P10: "Header, 4-Pin"
P2 P7 P12 P13 P14 P15 P16 P17: "Header, 3-Pin"
P4: library part "Header 7", "Header, 7-Pin"
P5 P11: "Header, 5-Pin"
P9: "Header, 9-Pin"
P18: "Header, 3-Pin, Dual row"
Q1: "NPN Bipolar Transistor"
R00 R1 R01 R2 R02 R3 R4 R5 R6 R7 R8 R9 R10 R11 R12 R13 R14 R15 R16 R17 R18 R19 R20 R21 R22 R23 R24 R25 R26 R27 R28 R29 R30 R31 R32 R33 R34 R35 R36 R37 R38 R40 R41 R42 R43 R44 R45 R46 R47: library part RES_SMD, "Resistor"
Rf1 Rf2 Rf3 Rf4 Rf5 Rf6 Rf7 Rf8: library part RES_4P
U1: library part STM32F103RBT6
U6: "USB2UART"
U7 U8: library part AD8667, "双运放"
USB_SLAVE1: library part USB5
Y1 Y2: "Crystal Oscillator"

## Via types
v1: diameter 20, hole 13, Top Layer to Bottom Layer, 34 vias
v2: diameter 23, hole 14, Top Layer to Bottom Layer, 33 vias
v3: diameter 26, hole 14, Top Layer to Bottom Layer, 24 vias
v4: diameter 25, hole 14, Top Layer to Bottom Layer, 12 vias
v5: diameter 30, hole 20, Top Layer to Bottom Layer, 7 vias
v6: diameter 40, hole 20, Top Layer to Bottom Layer, 1 vias

## Nets (pads, with @x,y where several pads share a name; then routed paths per layer and width w, separated by ;. In a path a pad name is that pad's centre, name@x,y a point inside that pad or via, vN(x,y) a via of type N, cw(c..) or ccw(c..) an arc to the next point about the centre after c; other vN are vias at no path point)
165CLK: IC1.2 IC2.2 IC3.2 IC4.2 U1.61 | length 5842.9
  Top Layer w10: v1(1330,2455) 1334,2459 1410.73,2459 U1.61@1447.86,2421.87
  Top Layer w20: v2(2930,2550) 2930,2520 3050,2400 3485,2400 3625,2260 4145,2260 4320,2435 IC1.2@4320,2445 ; IC4.2@4320,775 4320,795 4280,835 4120,835 4065,890 4065,1110 4220,1265 4280,1265 4320,1305 IC3.2@4320,1331.67
  Bottom Layer w10: v1(1330,2455) 1330,2485 1580,2735 1750,2735 1915,2570 2910,2570 v2(2930,2550)
  Bottom Layer w20: IC3.2@4320,1331.67 4320,1415 4155,1580 4155,1660 4320,1825 IC2.2@4320,1888.33 4320,1935 4150,2105 4150,2260 4320,2430 IC1.2@4320,2445
165DATA: IC5.4 R35.1 U1.29 | length 2566.6
  Top Layer w10: U1.29@1882.14,2238.13 1920.27,2200 v1(1930,2200)
  Top Layer w20: v1(3130,2490) 3135,2485 3625,2485 3790,2650 IC5.4@3845,2650
  Bottom Layer w10: v1(1930,2200) 1930,2310 1855,2385 1855,2485 1890,2520 2865,2520 2895,2490 v1(3130,2490)
  Bottom Layer w20: R35.1@3740,2655.43 IC5.4@3839.57,2655.43
165SH: IC1.1 IC2.1 IC3.1 IC4.1 U1.62 | length 5436.7
  Top Layer w10: v1@1355,2432.81 1362.19,2440 1402.75,2440 1404.85,2437.9 1404.85,2437.37 1415.73,2426.49 1416.37,2426.49 U1.62@1431.42,2411.43
  Top Layer w20: v1(2970,2550) 3075,2445 IC1.1@4220,2445 ; IC4.1@4220,775 4105,775 4010,870 4010,1145 4196.67,1331.67 IC3.1@4220,1331.67
  Bottom Layer w10: v1(1355,2430) 1355,2470 1595.5,2710.5 1729.5,2710.5 1895,2545 2880,2545 2915,2510 2945,2510 2970,2535 v1(2970,2550)
  Bottom Layer w20: IC3.1@4220,1331.67 4100,1451.67 4100,1995 ; IC2.1@4220,1888.33 4206.67,1888.33 4100,1995 ; IC1.1@4220,2445 4100,2325 4100,1995
595LOAD: P5.5 U1.57 | length 1390.6
  Top Layer w10: P5.5@145,2505 170,2530 1451.08,2530 U1.57@1503.53,2477.55
595SCL: P5.4 U1.58 | length 1403.2
  Top Layer w10: P5.4@145,2405 245,2505 1448.24,2505 U1.58@1489.62,2463.63
595SDK: P5.3 U1.59 | length 1415.7
  Top Layer w10: P5.3@145,2305 320,2480 1445,2480 1475.29,2449.71 U1.59@1475.7,2449.71
ADC1: P12.2 U1.8 | length 1377.5
  Top Layer w10: P12.2@330,1850 350,1850 430,1770 600,1770 968.92,2138.92 1460,2138.92 U1.8@1503.53,2182.45
ADC2: P13.2 U1.9 | length 1412.6
  Top Layer w10: P13.2@330,1625 450,1745 610,1745 980,2115 1463.92,2115 U1.9@1517.45,2168.53
ADC3: P14.2 U1.10 | length 1579.8
  Top Layer w10: P14.2@330,1405 420,1405 610,1595 610,1710.92 989.08,2090 1466.76,2090 U1.10@1531.37,2154.62
ADC4: P15.2 U1.11 | length 1797.7
  Top Layer w10: P15.2@330,1180 430,1180 595,1345 595,1535 635,1575 635,1700 1000,2065 1469.6,2065 U1.11@1545.29,2140.7
ADC5: P16.2 U1.24 | length 2534.1
  Top Layer w10: P16.2@330,955 400,955 625,1180 625,1500 730,1605 1455,1605 1635,1785 v2(1750,1785) ; U1.24@1812.55,2168.53 1850,2131.08 1850,2120 v2(1990,1980)
  Bottom Layer w10: v2(1750,1785) 1945,1980 v2(1990,1980)
ADC6: P17.2 U1.25 | length 2772.3
  Top Layer w10: P17.2@330,735 330,845 655,1170 655,1485 745,1575 1465,1575 1645,1755 v2(1770,1755) ; U1.25@1826.47,2182.45 1870,2138.92 1911.08,2138.92 2015.5,2034.5 2015.5,1950.5 v2(2015.25,1950.25)
  Bottom Layer w10: v2(1770,1755) 1964.5,1949.5 2014.5,1949.5 v2(2015.25,1950.25)
AGND: C14.2 C15.1 C20.2 C21.2 C22.2 C23.2 C25.2 C26.2 C27.1 C28.2 C45.1 Ce1.2 Ce2.2 D14.1 D15.1 DAC1.5 DAC2.5 DAC3.5 DAC4.5 JS5.2 JS24.2 P11.1 P12.3 P13.3 P14.3 P15.3 P16.3 P17.3 P18.2 P18.5 R00.1 R01.1 R02.1 R37.2 R45.2 R46.1 R47.2 U2.1 U3.1 U7.4 U8.4 | length 4678.3
  Top Layer w20: R37.2@1779.57,775 C45.1@1779.57,847.13 ; DAC1.5@1940,1075 1950,1075 2005,1020 2346.67,1020 DAC2.5@2401.67,1075 ; DAC3.5@2863.33,1075 2918.33,1020 3270,1020 DAC4.5@3325,1075
  Top Layer w40: P18.2@170,420 P18.5@170,320 375,115 778.66,115 ; JS5.2@693.66,200 778.66,115 ; P11.1@1165,195 Ce1.2@955,195 955,155 915,115 778.66,115
  Bottom Layer w20: 955,380 955.43,380.43 R46.1@955.43,440 ; C20.2@1870,1322.44 1870,1145 DAC1.5@1940,1075 ; C21.2@2330,1322.44 2330,1146.67 DAC2.5@2401.67,1075 ; R45.2@2740.43,445 U8.4@2910,614.57 ; C22.2@2795,1317.44 2795,1143.33 DAC3.5@2863.33,1075 ; C23.2@3255,1317.44 3255,1145 DAC4.5@3325,1075
  Bottom Layer w30: Ce2.2@2740,185 2740,190 2753.15,203.15 C26.2@2753.15,280 2753.15,344.41 C28.2@2732.56,365 2732.56,437.13 R45.2@2740.43,445 ; U8.4@2910,614.57 U8.4@2910,620
  Bottom Layer w40: C27.1@947.56,360 973.15,334.41 C25.2@973.15,280 973.15,213.15 Ce1.2@955,195 ; JS24.2@2463.66,190 2558.66,95 2685,95 2740,150 Ce2.2@2740,185
BEEP: R42.1 U1.56 | length 1684.5
  Top Layer w10: v1(1345,2565) 1442.95,2565 1516.49,2491.47 U1.56@1517.45,2491.47 ; R42.1@2590,2577.44 2598.72,2568.72 2625,2595 v2(2625,2600)
  Bottom Layer w10: v1(1345,2565) 1375,2565 1570,2760 1775,2760 1935,2600 v2(2625,2600)
BOOT0: P2.2 R2.1 | length 81.4
  Bottom Layer w30: R2.1@1640,3347.56 1667.44,3375 P2.2@1710,3375
CH1: IC4.11 P9.2 Rf7.1 | length 2368.6
  Top Layer w20: P9.2@3695,2160 3695,2140 3870,1965 v3(3870,1485)
  Bottom Layer w20: v3(3870,1485) 3825,1485 3785,1445 3785,1340 3950,1175 3950,995 4070,875 4520,875 IC4.11@4720,1075 4720,1169.74 Rf7.1@4717.24,1172.5
CH2: IC4.12 P9.3 Rf7.2 | length 1983.3
  Top Layer w20: P9.3@3695,1960 3830,1825 3830,1470 3860,1440 v3(3870,1440)
  Bottom Layer w20: v3(3870,1440) 3845,1440 3825,1420 3825,1370 3995,1200 3995,1025 4100,920 4465,920 IC4.12@4620,1075 4635,1075 4685.75,1125.75 Rf7.2@4685.75,1172.5
CH3: IC4.13 P9.4 Rf7.3 | length 1620.7
  Top Layer w20: P9.4@3695,1760 3780,1675 3780,1460 3840,1400 v3(3870,1400)
  Bottom Layer w20: v3(3870,1400) 3870,1385 4040,1215 4040,1055 4135,960 4405,960 IC4.13@4520,1075 4575,1130 4635,1130 4654.25,1149.25 Rf7.3@4654.25,1172.5
CH4: IC4.14 P9.5 Rf7.4 | length 1378.6
  Bottom Layer w20: P9.5@3695,1560 3841.67,1560 3925,1476.67 3925,1395 4085,1235 4085,1065 4150,1000 4345,1000 IC4.14@4420,1075 4480,1135 4535,1135 4572.5,1172.5 Rf7.4@4622.76,1172.5
CH5: IC4.3 P9.6 Rf8.1 | length 1345.6
  Bottom Layer w20: P9.6@3695,1360 3905,1150 3905,900 4120,685 4330,685 IC4.3@4420,775 4425.26,775 Rf8.1@4532.76,667.5
CH6: IC4.4 P9.7 Rf8.2 | length 1304.1
  Top Layer w20: v4(4340,635) 4380,635 IC4.4@4520,775
  Bottom Layer w20: P9.7@3695,1160 3715,1160 3860,1015 3860,865 4090,635 v4@4330,635 ; IC4.4@4520,775 4564.25,730.75 Rf8.2@4564.25,667.5
CH7: IC4.5 P9.8 Rf8.3 | length 1285.9
  Top Layer w20: v4(4340,595) 4460,595 4620,755 IC4.5@4620,775
  Bottom Layer w20: P9.8@3695,960 3695,950 4050,595 v4(4340,595) ; Rf8.3@4595.75,667.5 4595.75,730.75 4620,755 IC4.5@4620,775
CH8: IC4.6 P9.9 Rf8.4 | length 1362.2
  Top Layer w20: v4(4340,555) 4500,555 IC4.6@4720,775
  Bottom Layer w20: P9.9@3695,790 P9.9@3695,760 3815,760 4020,555 v4(4340,555) ; Rf8.4@4627.24,667.5 IC4.6@4720,760.26
CH340_D+: U6.5 USB_SLAVE1.3 | length 704.4
  Top Layer w15: USB_SLAVE1.3@349.06,2810 495,2810 570,2885 940,2885 970,2855 U6.5@970,2815
CH340_D-: U6.6 USB_SLAVE1.2 | length 770.4
  Top Layer w15: USB_SLAVE1.2@349.06,2841.5 486.5,2841.5 565,2920 955,2920 1020,2855 U6.6@1020,2815
DAC_CS1: DAC1.3 U1.16 | length 1502.2
  Top Layer w10: U1.16@1614.89,2071.1 1673.9,2071.1 1728,2017 1763,2017 2080,1700 2080,1510 1990,1420 1990,1250 1965,1225 1800,1225 1750,1175 DAC1.3@1640,1175
  Bottom Layer w20: DAC1.3@1640,1175 DAC1.3@1655,1175
DAC_CS2: DAC2.3 U1.17 | length 1154.9
  Top Layer w10: U1.17@1715.11,2071.1 1750.21,2036 1779,2036 2105,1710 2105,1500 2015,1410 2015,1255 DAC2.3@2095,1175
  Top Layer w20: DAC2.3@2095,1175 DAC2.3@2101.67,1175
  Bottom Layer w20: DAC2.3@2101.67,1175 DAC2.3@2101.67,1178.33
DAC_CS3: DAC3.3 U1.39 | length 1735.7
  Top Layer w10: U1.39@1840.38,2463.63 1860.53,2483.77 1860.53,2484.1 1874.02,2497.6 1874.02,2497.96 1876,2499.94 1890.06,2514 1946,2514 2065.5,2394.5 2065.5,1914.44 2065,1913.94 2065,1890 2505,1450 2505,1210 DAC3.3@2540,1175
  Top Layer w15: DAC3.3@2540,1175 DAC3.3@2563.33,1175
DAC_CS4: DAC4.3 U1.40 | length 2087.3
  Top Layer w10: U1.40@1826.47,2477.55 1883.92,2535 1965,2535 2090,2410 2090,1900 2540,1450 2585,1450 2710,1325 2880,1325 3025,1180 DAC4.3@3025,1175
DAC_IN: DAC1.1 DAC2.1 DAC3.1 DAC4.1 U1.23 | length 2614.3
  Top Layer w10: U1.23@1798.63,2154.62 1825,2128.24 1825,2095 2155,1765 2155,1410 2120,1375 DAC2.1@2101.67,1375
  Bottom Layer w20: DAC1.1@1640,1375 1655,1375 1760,1480 1996.67,1480 DAC2.1@2101.67,1375 2105,1375 2215,1485 2453.33,1485 DAC3.1@2563.33,1375 2673.33,1485 2915,1485 DAC4.1@3025,1375
DAC_SCLK: DAC1.2 DAC2.2 DAC3.2 DAC4.2 U1.21 | length 2963.4
  Top Layer w10: U1.21@1770.79,2124.26 1775.82,2124.26 1805,2095.08 1805,2085 2130,1760 2130,1490 2040,1400 2040,1336.67 DAC2.2@2101.67,1275
  Top Layer w20: DAC2.2@2085,1275 DAC2.2@2101.67,1275
  Bottom Layer w20: DAC1.2@1640,1275 1805,1440 1965,1440 2025,1380 2025,1325 2075,1275 DAC2.2@2101.67,1275 2130,1275 2295,1440 2420,1440 2485,1375 2485,1325 2535,1275 DAC3.2@2563.33,1275 2585,1275 2750,1440 2905,1440 2950,1395 2950,1350 DAC4.2@3025,1275